# Altium PCB PCB1.PcbDoc
Units mil, origin at the board's own origin, x right, y up, seen from the top; angles counter-clockwise.
Board outline 1811 x 1291 mil, 2 copper layers (Top Layer, Bottom Layer); 85 components, 46 nets, 304 pads, 62 vias.
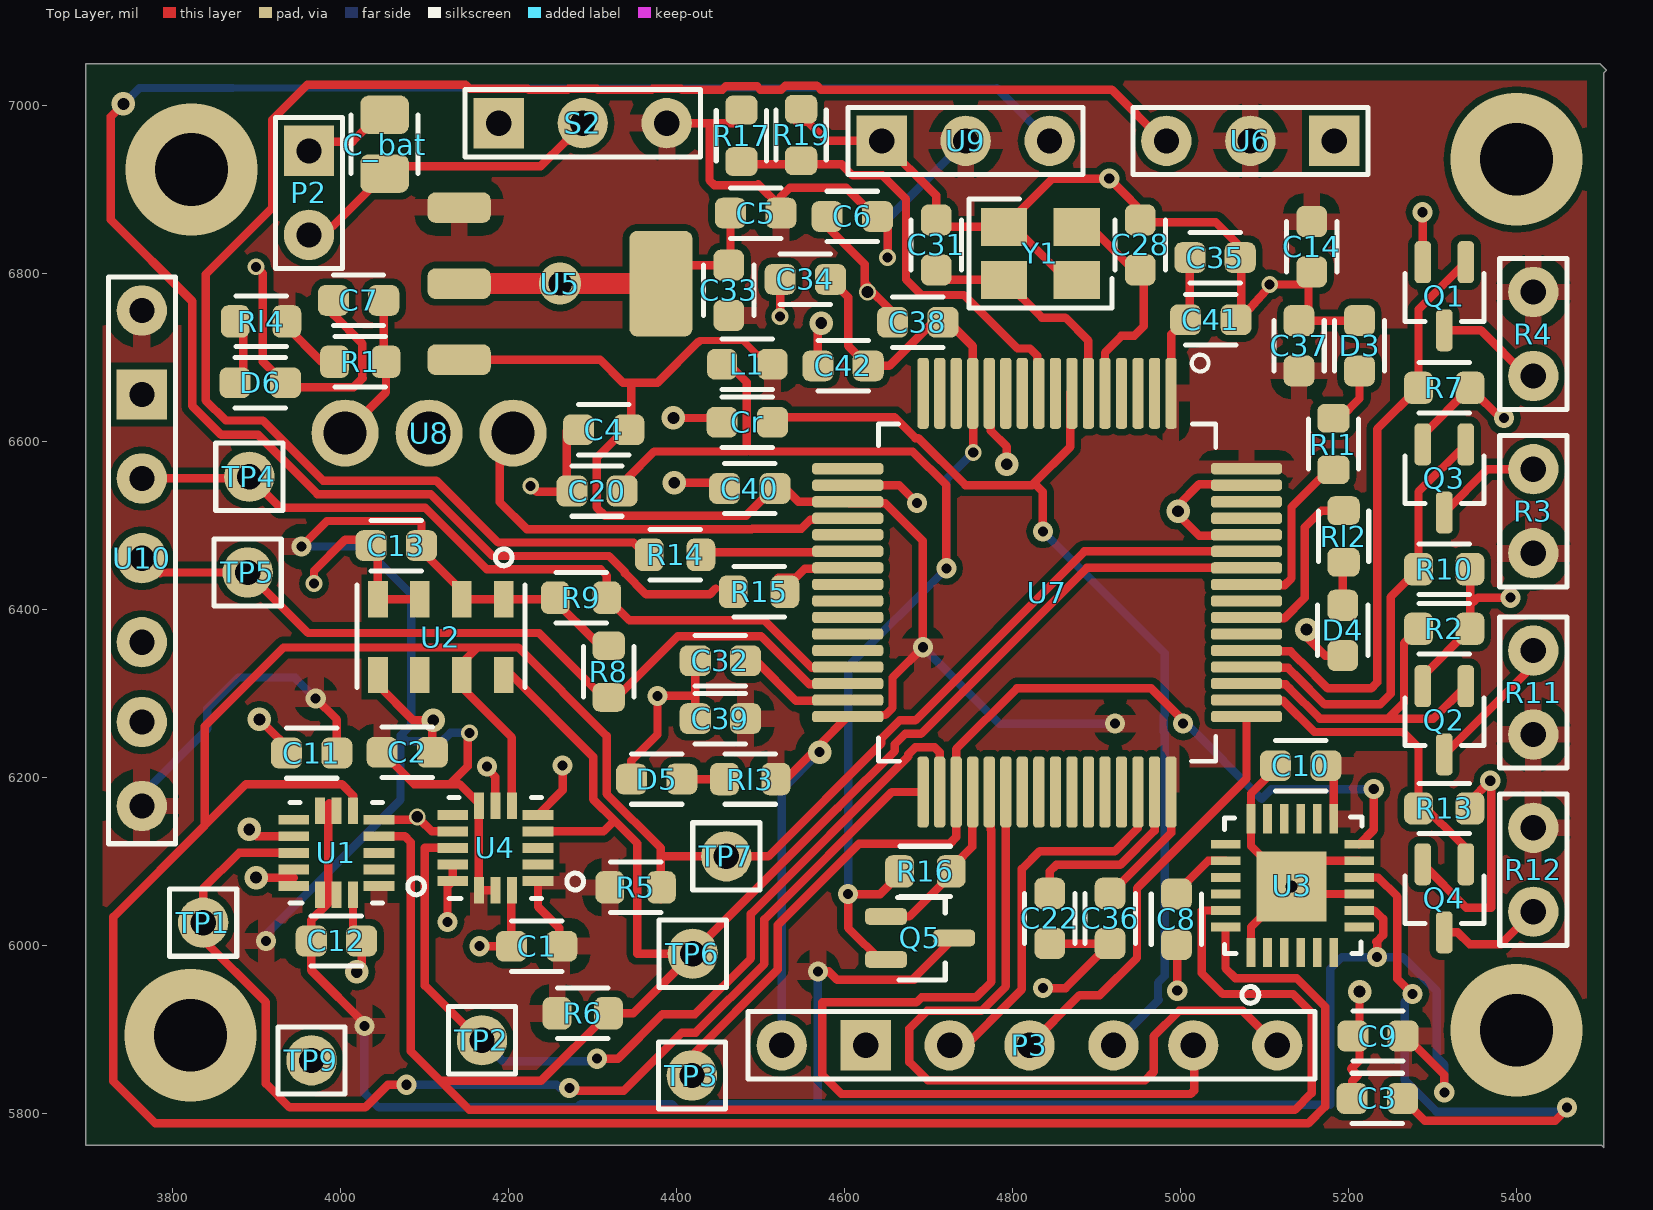
[diagram p0: Top Layer view]
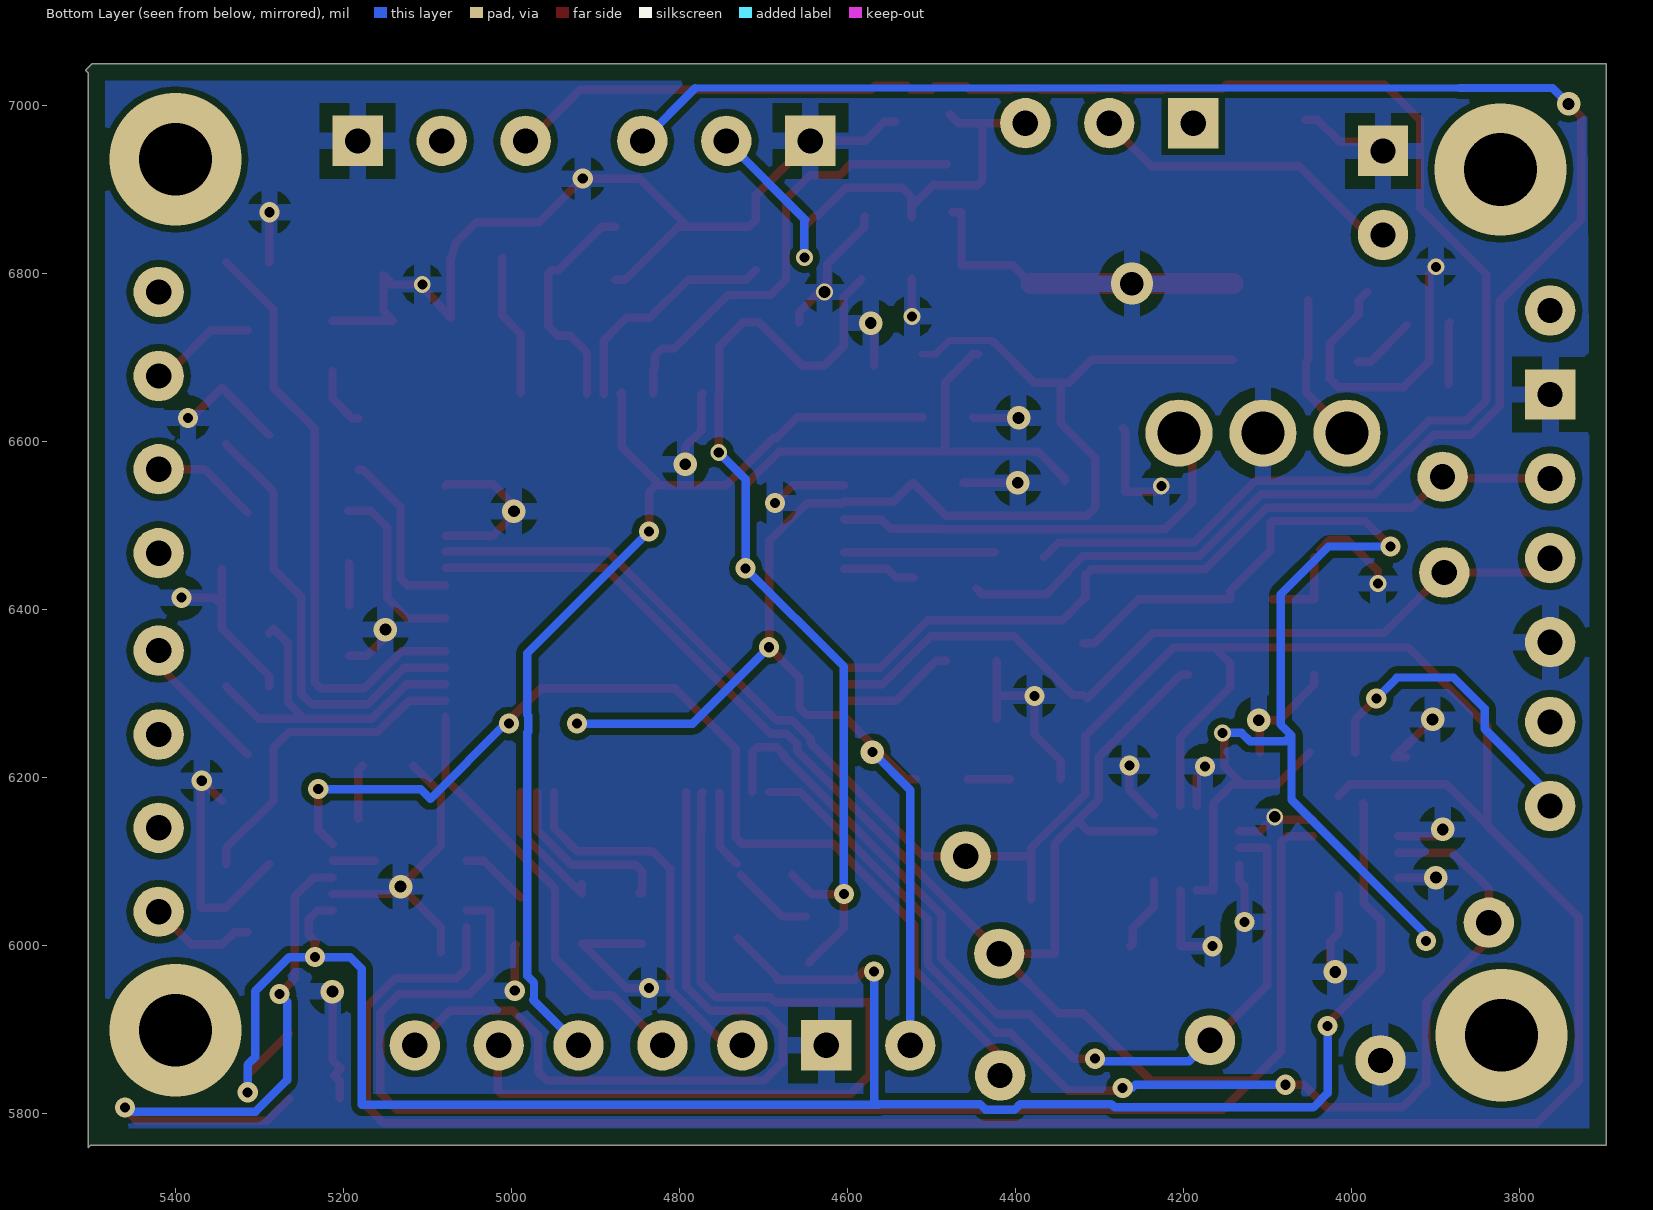
[diagram p1: Bottom Layer view, seen from below]
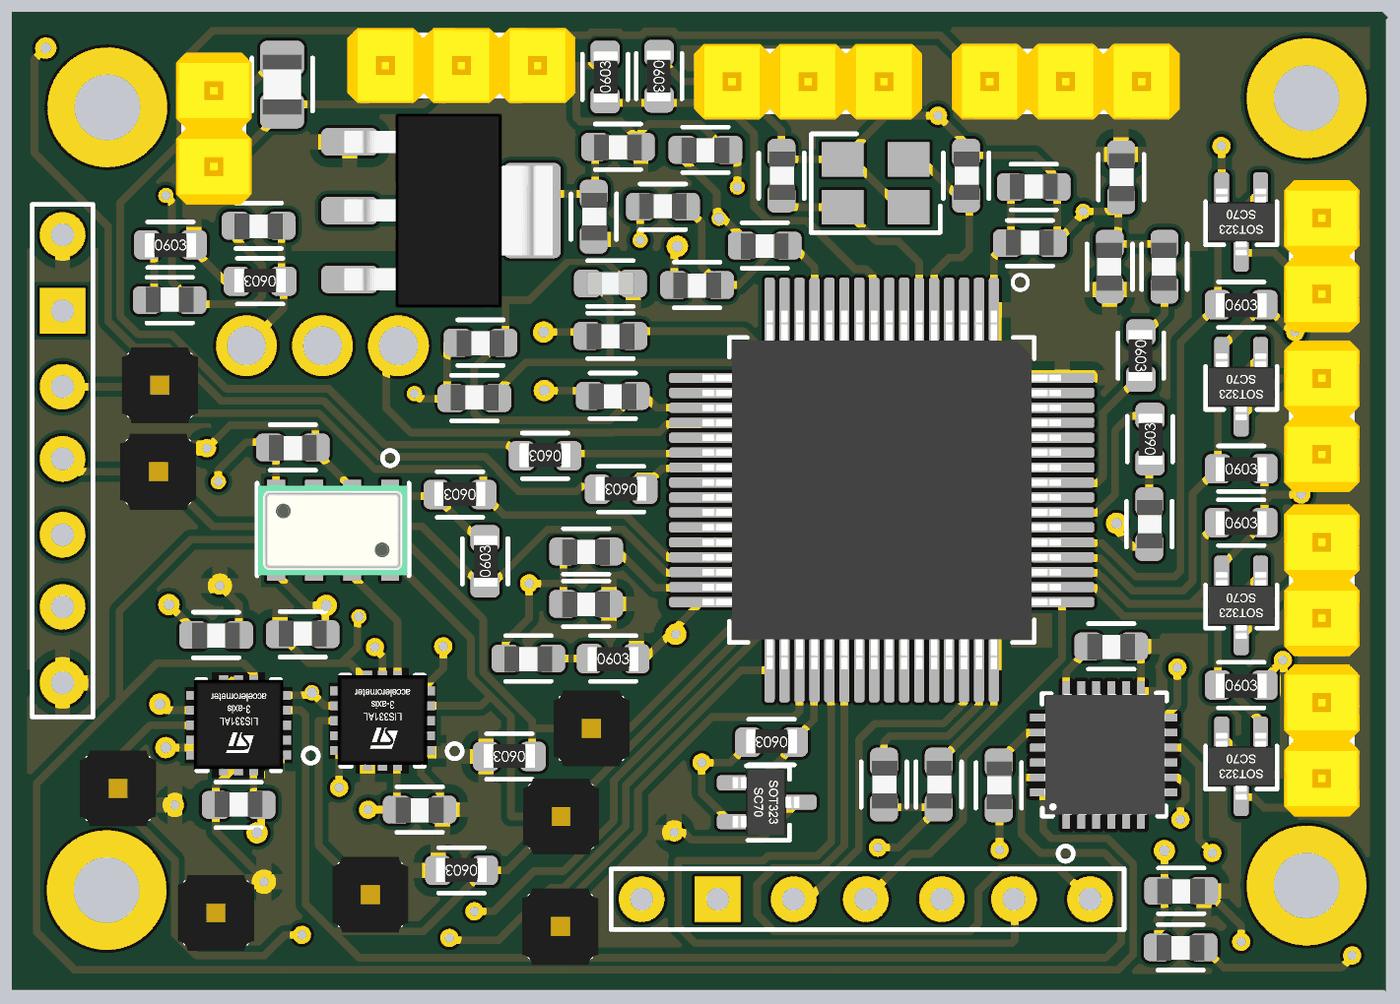
[diagram p2: 3D render of the assembled board from above, using the file's embedded part models]

## Layer stack, top to bottom
Top Solder: solder mask 0.4, Solder Resist, Dk 3.5
Top Layer: signal copper 1.4
Dielectric 1: dielectric 12.6, FR-4, Dk 4.8
Bottom Layer: signal copper 1.4
Bottom Solder: solder mask 0.4, Solder Resist, Dk 3.5

## Board outline
3696,7050 5499,7050 5507,7042 5504,7039 5504,5759 5501,5762 3696,5762

## Design rules (kind name [scope] priority, off if disabled: settings)
BoardOutlineClearance [All] p1: gap=20
Clearance [All] p1: gap=6 except(8: Arc-Poly Track-Poly SMDPad-Poly THPad-Poly Via-Poly Fill-Poly Poly-Poly)
HoleSize [All] p1: absolutevalues=TRUE maxlimit=400 minlimit=12 maxpercent=80.000 minpercent=20.000
HoleToHoleClearance [All] p1: gap=6 allowstackedmicrovias=TRUE
MinimumSolderMaskSliver [All] p1: minsoldermaskwidth=6
PlaneClearance [All] p1: clearance=15
PlaneConnect [All] p1: planeconnectstyle=Relief reliefexpansion=20 reliefentries=4 reliefconductorwidth=20 reliefairgap=15
PolygonConnect [All] p1: connectstyle=Relief reliefconductorwidth=20 reliefentries=4 polygonreliefangle="90 Angle" airgapwidth=15
RoutingVias [All] p1: holewidth=12 width=24 viastyle="Through Hole" minholewidth=12 minwidth=20 maxholewidth=400 maxwidth=400
SilkToSilkClearance [All] p1: silktosilkclearance=6
SilkToSolderMaskClearance [IsPad] p1: minsilkscreentomaskgap=6 clearancetoexposedcopper=TRUE
SolderMaskExpansion [All] p1: expansion=4
Width [All] p1: maxlimit=40 minlimit=8 preferedwidth=10
23 further rules are at their usual default settings.

## Components (designator, comment, footprint, x,y, rotation, side; value= is the part's Value field where it differs from the comment)
C1 "Cap Semi" CAP_0603 4233,5999 r180 top
C2 "Cap Semi" CAP_0603 4079,6230 r0 top
C3 "Cap Semi" CAP_0603 5234.2,5817.66 r180 top
C4 "Cap Semi" CAP_0603 4313,6614 r180 top
C5 "Cap Semi" CAP_0603 4494,6872 r180 top
C6 "Cap Semi" CAP_0603 4609,6868 r180 top
C7 "Cap Semi" CAP_0603 4021,6768 r180 top
C8 "Cap Semi" CAP_0603 4995,6031 r270 top
C9 "Cap Semi" CAP_0603 5235,5892 r180 top
C10 "Cap Semi" CAP_0603 5143,6214 r180 top
C11 "Cap Semi" CAP_0603 3965.12,6229 r180 top
C12 "Cap Semi" CAP_0603 3994.68,6005.2 r0 top
C13 "Cap Semi" CAP_0603 4066,6476 r180 top
C14 "Cap Semi" CAP_0603 5156,6832 r270 top
C20 "Cap Semi" CAP_0603 4305,6541 r0 top
C22 "Cap Semi" CAP_0603 4844,6032 r270 top
C28 "Cap Semi" CAP_0603 4952,6834 r270 top
C31 "Cap Semi" CAP_0603 4709,6834 r270 top
C32 "Cap Semi" CAP_0603 4452,6339 r180 top
C33 "Cap Semi" CAP_0603 4462,6780 r270 top
C34 "Cap Semi" CAP_0603 4553,6793 r0 top
C35 "Cap Semi" CAP_0603 5041,6819 r0 top
C36 "Cap Semi" CAP_0603 4916,6032 r270 top
C37 "Cap Semi" CAP_0603 5141,6714 r90 top
C38 "Cap Semi" CAP_0603 4687,6742 r180 top
C39 "Cap Semi" CAP_0603 4452,6270 r180 top
C40 "Cap Semi" CAP_0603 4487,6544 r180 top
C41 "Cap Semi" CAP_0603 5036,6745 r0 top
C42 "Cap Semi" CAP_0603 4598,6690 r180 top
C_bat "Cap Semi" CAP_0805 4052,6954 r90 top
Cr "Cap Semi" CAP_0603 4484,6623 r180 top
D3 "LED2" CAP_0603 5213,6714 r90 top
D4 "LED2" CAP_0603 5193,6375 r270 top
D5 "LED2" CAP_0603 4376,6198 r180 top
D6 "LED2" CAP_0603 3904,6670 r0 top
L1 "Inductor" "INDUCTOR BLM" 4484,6692 r180 top
P2 "Bat Con" BAT 3957,6881 r270 top
P3 "SWD" "Header 7 SWD" 4820,5881 r0 top
Q1 "DMG1012UW-7" "N-MOS (SOT323)" 5314,6773 r180 top
Q2 "DMG1012UW-7" "N-MOS (SOT323)" 5314,6268 r180 top
Q3 "DMG1012UW-7" "N-MOS (SOT323)" 5314,6556 r180 top
Q4 "DMG1012UW-7" "N-MOS (SOT323)" 5314,6056 r180 top
Q5 "MOSFET-P" "P-MOS (SOT323)" 4689.69,6008.75 r270 top
R1 "Res3" RES_0603 4023,6695 r180 top
R2 "Res3" RES_0603 5314,6377 r0 top
R3 "2 ohm - 10 ohm" "Header 2 Jumper" 5420,6517 r270 top
R4 "2 ohm - 10 ohm" "Header 2 Jumper" 5420,6728 r90 top
R5 "Res3" RES_0603 4351,6069 r180 top
R6 "Res3" RES_0603 4288,5919 r180 top
R7 "Res3" RES_0603 5314,6664 r0 top
R8 "Res3" RES_0603 4319,6326 r90 top
R9 "Res3" RES_0603 4286,6414 r180 top
R10 "Res3" RES_0603 5314,6448 r0 top
R11 "2 ohm - 10 ohm" "JUMPER (Header 2)" 5420,6301 r270 top
R12 "2 ohm - 10 ohm" "Header 2 Jumper" 5420,6090 r90 top
R13 "Res3" RES_0603 5314,6163 r0 top
R14 "Res3" RES_0603 4398,6465 r180 top
R15 "Res3" RES_0603 4498,6421 r180 top
R16 "Res3" RES_0603 4696,6088 r180 top
R17 "Res3" RES_0603 4477,6964 r90 top
R19 "Res3" RES_0603 4548,6965 r270 top
Rl1 "Res3" RES_0603 5182,6597 r270 top
Rl2 "Res3" RES_0603 5194,6487 r90 top
Rl3 "Res3" RES_0603 4487.5,6198 r0 top
Rl4 "Res3" RES_0603 3905,6743 r0 top
S2 "SW-SPDT" "Header 3 Servo" 4288,6979 r0 top
TP1 "TP1" TP 3836,6027 r0 top
TP2 "TP1" TP 4168,5887 r0 top
TP3 "TP3" TP 4418,5845 r0 top
TP4 "TP5" TP 3891,6558 r0 top
TP5 "TP5" TP 3889,6444 r0 top
TP6 "TP5" TP 4419,5990 r0 top
TP7 "TP5" TP 4459,6106 r0 top
TP9 "GND" TP 3965,5863 r0 top
U1 "H3LIS331DL" H3LIS_HIGH_G 3994.68,6110.2 r180 top
U2 "MS5611-01BA03" MS561101BA03-50 4119,6367 r270 top
U3 "MPU6050" MPU6050 5133,6071 r90 top
U4 "LPS331AP" LPS331AP 4184,6116 r180 top
U5 "MCP1703" SOT230P700X180-4L25N 4261,6788 r270 top
U6 "Servo_Con" "Header 3 Servo" 5083,6958 r180 top
U7 "STM32F405" "Microcontroller (LQFP)" 4841,6420 r180 top
U8 "TSOP382" TO92254P530H965-3 4105,6552 r180 top
U9 "Servo_Con" "Header 3 Servo" 4744,6958 r0 top
U10 "MS5611_PCB" "Header 7 SWD" 3763,6461 r270 top
Y1 "Crystal" XTAL_TSX_3225 4833,6824 r180 top

## Footprints (in the part's own frame and the unit in brackets; to place one, negate y for a bottom-side part, rotate by r counter-clockwise, add the part's x,y. Pads: shape width x height; smd on the part's side, far side on the other; paste and mask are expansions set on the pad)
BAT [mil]
  rect 60x60 hole 30: 1(-65,5)
  round 60 hole 30: 2(35,5)
  silkscreen extent -105,-35 75,45, body extent -115,-45 85,55, height 374
CAP_0603 [mm]
  rrect49% 0.94x0.93 smd: 1(-0.762,0) 2(0.762,0)
  silkscreen extent -0.76,-0.76 0.76,0.76, body extent -0.8,-0.41 0.8,0.45, height 0.43
CAP_0805 [mm] "Capacitor, Chip; 2.00 mm L X 1.25 mm W X 1.45 mm H body"
  rrect43% 1.16x1.47 smd: 1(-0.889,0) 2(0.889,0)
  silkscreen extent -0.89,-1.02 0.89,1.02, body extent -1,-0.65 1,0.66, height 0.73
H3LIS_HIGH_G [mm]
  rect 0.925x0.3 smd paste-25.4 mask-25.4: 1(-1.288,1) 2(-1.288,0.5) 3(-1.288,0) 4(-1.288,-0.5) 5(-1.288,-1) 9(1.288,-1) 10(1.288,-0.5) 11(1.288,0) 12(1.288,0.5) 13(1.288,1)
  rect 0.3x0.8 smd paste-25.4 mask-25.4: 6(-0.5,-1.275) 7(0,-1.275) 8(0.5,-1.275) 14(0.5,1.275) 15(0,1.275) 16(-0.5,1.275)
  silkscreen extent -2.67,-1.52 1.4,1.52, body extent -1.5,-1.53 1.5,1.47, height 1.01
"Header 2 Jumper" [mil]
  round 60 hole 30: 1(-50,0) 2(50,0)
  silkscreen extent -90,-40 90,40, body extent -100,-50 100,50, height 374
"Header 3 Servo" [mil]
  rect 60x60 hole 30: 1(-100,0)
  round 60 hole 30: 2(0,0) 3(100,0)
  silkscreen extent -140,-40 140,40, body extent -150,-50 150,50, height 378
"Header 7 SWD" [mil]
  round 60 hole 30: 1(-295,0) 3(-95,0) 4(0,0) 5(100,0) 6(195,0) 7(295,0)
  rect 60x60 hole 30: 2(-195,0)
  silkscreen extent -335,-40 340,40
"INDUCTOR BLM" [mm] "Inductor, Chip; 1.60 mm L X 0.80 mm W X 0.90 mm H body"
  rrect51% 0.91x0.93 smd: 1(-0.762,0) 2(0.762,0)
  silkscreen extent -0.76,-0.76 0.76,0.76, body extent -0.8,-0.4 0.8,0.4, height 1
"JUMPER (Header 2)" [mil]
  round 60 hole 30: 1(-50,0) 2(50,0)
  silkscreen extent -90,-40 90,40, body extent -100,-50 100,50, height 374
LPS331AP [mm]
  rect 0.925x0.3 smd paste-25.4 mask-25.4: 1(-1.288,1) 2(-1.288,0.5) 3(-1.288,0) 4(-1.288,-0.5) 5(-1.288,-1) 9(1.288,-1) 10(1.288,-0.5) 11(1.288,0) 12(1.288,0.5) 13(1.288,1)
  rect 0.3x0.8 smd paste-25.4 mask-25.4: 6(-0.5,-1.275) 7(0,-1.275) 8(0.5,-1.275) 14(0.5,1.275) 15(0,1.275) 16(-0.5,1.275)
  silkscreen extent -2.67,-1.52 1.4,1.52, body extent -1.5,-1.53 1.5,1.47, height 1.01
"Microcontroller (LQFP)" [mm] "Quad Flat Pack (QFP), 0.50 mm pitch; square, 16 pin X 16 pin, 10.00 mm L X 10.00 mm W X 1.20 mm H body"
  rrect53% 0.34x2.15 smd: 1(-3.75,-6.03) 2(-3.25,-6.03) 3(-2.75,-6.03) 4(-2.25,-6.03) 5(-1.75,-6.03) 6(-1.25,-6.03) 7(-0.75,-6.03) 8(-0.25,-6.03) 9(0.25,-6.03) 10(0.75,-6.03) 11(1.25,-6.03) 12(1.75,-6.03) 13(2.25,-6.03) 14(2.75,-6.03) 15(3.25,-6.03) 16(3.75,-6.03) 33(3.75,6.03) 34(3.25,6.03) 35(2.75,6.03) 36(2.25,6.03) 37(1.75,6.03) 38(1.25,6.03) 39(0.75,6.03) 40(0.25,6.03) 41(-0.25,6.03) 42(-0.75,6.03) 43(-1.25,6.03) 44(-1.75,6.03) 45(-2.25,6.03) 46(-2.75,6.03) 47(-3.25,6.03) 48(-3.75,6.03)
  rrect53% 2.15x0.34 smd: 17(6.03,-3.75) 18(6.03,-3.25) 19(6.03,-2.75) 20(6.03,-2.25) 21(6.03,-1.75) 22(6.03,-1.25) 23(6.03,-0.75) 24(6.03,-0.25) 25(6.03,0.25) 26(6.03,0.75) 27(6.03,1.25) 28(6.03,1.75) 29(6.03,2.25) 30(6.03,2.75) 31(6.03,3.25) 32(6.03,3.75) 49(-6.03,3.75) 50(-6.03,3.25) 51(-6.03,2.75) 52(-6.03,2.25) 53(-6.03,1.75) 54(-6.03,1.25) 55(-6.03,0.75) 56(-6.03,0.25) 57(-6.03,-0.25) 58(-6.03,-0.75) 59(-6.03,-1.25) 60(-6.03,-1.75) 61(-6.03,-2.25) 62(-6.03,-2.75) 63(-6.03,-3.25) 64(-6.03,-3.75)
  silkscreen extent -5.1,-7.2 5.1,5.1, body extent -6,-6 6,6, height 1.56
MPU6050 [mm] "Quad Flat No-Lead (QFN with Tab), 0.50 mm pitch; square, 6 pin X 6 pin, 4.00 mm L X 4.00 mm W X 0.95 mm H body"
  rect 0.89x0.26 smd mask+0.127: 1(-2.02,1.25) 2(-2.02,0.75) 3(-2.02,0.25) 4(-2.02,-0.25) 5(-2.02,-0.75) 6(-2.02,-1.25) 13(2.02,-1.25) 14(2.02,-0.75) 15(2.02,-0.25) 16(2.02,0.25) 17(2.02,0.75) 18(2.02,1.25)
  rect 0.26x0.89 smd mask+0.127: 7(-1.25,-2.02) 8(-0.75,-2.02) 9(-0.25,-2.02) 10(0.25,-2.02) 11(0.75,-2.02) 12(1.25,-2.02) 19(1.25,2.02) 20(0.75,2.02) 21(0.25,2.02) 22(-0.25,2.02) 23(-0.75,2.02) 24(-1.25,2.02)
  rect 2.108x2.108 smd: 25(-0.025,0.025)
  silkscreen extent -3.56,-2.1 2.08,2.06, body extent -2.01,-2.07 2.03,1.97, height 0.88
MS561101BA03-50 [mm]
  rect 1.1x0.6 smd: 1(-1.143,1.905) 2(-1.143,0.635) 3(-1.143,-0.635) 4(-1.143,-1.905) 5(1.143,-1.905) 6(1.143,-0.635) 7(1.143,0.635) 8(1.143,1.905)
  silkscreen extent -2.67,-2.54 1.52,2.54, body extent -1.49,-2.51 1.51,2.49, height 1
"N-MOS (SOT323)" [mm] "Small Outline Transistor (SOT23), 0.65 mm pitch; 3 pin, 0.95 mm L X 1.25 mm W X 1.00 mm H body"
  rrect52% 0.5x1.27 smd: 1(-0.65,-1.03) 2(0.65,-1.03) 3(0,1.03)
  silkscreen extent -1.19,-0.68 1.19,0.76, body extent -1.1,-1.12 1.1,1.12, height 1.1
"P-MOS (SOT323)" [mm]
  rrect52% 0.5x1.27 smd: 1(-0.65,-1.03) 2(0.65,-1.03) 3(0,1.03)
  silkscreen extent -1.22,-0.68 1.27,0.76, body extent -1.1,-1.15 1.1,1.1, height 1.1
RES_0603 [mm] "Resistor, Chip; 1.60 mm L X 0.85 mm W X 0.55 mm H body"
  rrect51% 0.87x0.98 smd: 1(-0.78,0) 2(0.78,0)
  silkscreen extent -0.76,-0.76 0.76,0.76, body extent -0.85,-0.42 0.85,0.38, height 0.56
SOT230P700X180-4L25N [mm] "Small Outline Transistor (SOT223), 2.30 mm pitch; 4 pin, 6.50 mm L X 3.50 mm W X 1.80 mm H body"
  rrect50% 0.92x1.91 smd: 1(-2.3,-3.05) 2(0,-3.05) 3(2.3,-3.05)
  rrect24% 3.19x1.91 smd: 2(0,3.05)
  body extent -3.25,-3.23 3.25,3.73, height 1.66
TO92254P530H965-3 [mil] "TO-92, 2.54 mm pitch; 3 pin, 5.30 mm W X 9.65 mm H body"
  round 80 hole 51.18: 1(-100,-57.97)
  round 80 hole 51.18 paste-87.01: 2(0,-57.97) 3(100,-57.97)
  body extent -100,-199 100,-10, height 426
TP [mil]
  round 60 hole 30: 0(0,0)
  silkscreen extent -40,-40 40,40, body extent -50,-50 50,50, height 318
XTAL_TSX_3225 [mm] "Crystal, Dual Flat No-Lead (DFN 4 Pins), 2.00 mm pitch; 4 pin, 3.20 mm L X 2.50 mm W X 0.60 mm H body"
  rect 1.4x1.15 smd: 1(-1.1,-0.8) 2(1.1,-0.8) 3(1.1,0.8) 4(-1.1,0.8)
  silkscreen extent -2.16,-1.65 2.16,1.65

## Part data
C1 C2 C3 C4 C5 C6 C7 C8 C9 C10 C11 C12 C13 C14 C20 C22 C28 C31 C32 C33 C34 C35 C36 C37 C38 C39 C40 C41 C42 C_bat Cr: "Capacitor (Semiconductor SIM Model)"
D3 D4 D5 D6: "Typical RED, GREEN, YELLOW, AMBER GaAs LED"
P2: library part "Header 2", "Header, 2-Pin"
Q1 Q2 Q3 Q4: library part MOSFET-N, "N-Channel MOSFET"
Q5: "P-Channel MOSFET"
R1 R2 R5 R6 R7 R8 R9 R10 R13 R14 R15 R16 R17 R19 Rl1 Rl2 Rl3 Rl4: "Resistor"
R3 R4 R11 R12: library part Res_melting
S2: "SPDT Subminiature Toggle Switch, Right Angle Mounting, Vertical Actuation"
TP1 TP2 TP3 TP4 TP5 TP6 TP7 TP9: library part TP
U1: "High g accelerometer"
U5: library part LDO

## Via types
v1: diameter 24, hole 12, Top Layer to Bottom Layer, 32 vias
v2: diameter 28, hole 14, Top Layer to Bottom Layer, 14 vias
v3: diameter 20, hole 12, Top Layer to Bottom Layer, 8 vias
v4: diameter 157.48, hole 86.61, Top Layer to Bottom Layer, 4 vias
v5: diameter 20, hole 14, Top Layer to Bottom Layer, 2 vias
v6: diameter 50, hole 28, Top Layer to Bottom Layer, 1 vias
v7: diameter 28, hole 12, Top Layer to Bottom Layer, 1 vias

## Nets (pads, with @x,y where several pads share a name; then routed paths per layer and width w, separated by ;. In a path a pad name is that pad's centre, name@x,y a point inside that pad or via, vN(x,y) a via of type N, cw(c..) or ccw(c..) an arc to the next point about the centre after c; other vN are vias at no path point)
3V3: C4.1 C35.1 C36.1 C37.1 C39.1 C40.1 C41.1 L1.1 P3.1 Rl3.2 U5.3 U7.1 U7.19 U7.32 U7.48 U7.64 | length 2373.7
  Top Layer w8: 4426,6719 4427.31,6720.31 4478.7,6720.31 4495.01,6704 L1.1@4511,6704
  Top Layer w10: U5.3 4308.55,6697.45 4336,6670 4377,6670 4426,6719 ; 4346,6670 4346,6622 4304.5,6580.5 4304.5,6521.5 4314.31,6511.69 4482.69,6511.69 4522,6551 4544.73,6528.27 U7.19 4605.59,6526.27 4648.4,6526.27 4693,6481.67 v1(4693,6355) 4656.92,6318.92 4656.92,6282.88 4648.4,6274.36 4605.59,6274.36 U7.32 4570,6238.76 v7(4570,6230) 4562,6230 4530,6198 Rl3.2 ; C36.1@4916,6073 4916,6061.11 4988.64,6133.75 U7.48 ; U7.1 4988.64,6727.64 C41.1 5011,6750 C35.1
  Bottom Layer w10: P3.1 4525,6185 v7(4570,6230) ; v1(4693,6355) 4784,6264 v1(4922,6264)
3V3A: C20.2 C34.2 C38.1 C42.1 L1.2 Q5.2 R16.2 U7.13 | length 1808.2
  Top Layer w10: C20.2@4341,6553 4341,6556.08 4373,6588.08 4483.5,6588.08 4483.5,6670.5 4451,6703 4451,6704 L1.2@4444,6704 ; 4487,6588.08 4680.92,6588.08 4721,6548 v1(4721,6449) ; C34.2 4604,6772 4604,6714 C42.1 4653,6690 4705,6742 C38.1 4723.84,6742 4752.42,6713.42 U7.13 4753,6656.82 v3(4753,6587) ; Q5.2@4645.42,5979.44 4604,6020.86 v1(4604,6061) 4642.29,6061 R16.2@4665.29,6084
  Bottom Layer w10: v1(4604,6061) 4604,6332 v1(4721,6449) 4721,6555 v3(4753,6587)
5V: C5.1 C6.1 C14.1 C33.2 R1.2 R3.2 R4.2 R11.2 R12.2 R17.2 Rl4.2 S2.3 U5.1 U6.2 U9.2 | length 736.5
  Top Layer w10: Rl4.2@3933.5,6738.5 3977,6695 R1.2 ; S2.3 4439,6979 ; R17.2@4478,6989.71 4467.29,6979 4439,6979 ; C5.1@4523,6867 4523,6880.22 4496.89,6906.33 4495.73,6905.17 4444.83,6905.17 4439,6911 4439,6979 ; C5.1@4524,6871 4524,6891.68 4534.32,6902 4601.82,6902 4635.82,6868 C6.1 4651,6856 v3(4651,6819)
  Bottom Layer w10: v3(4651,6819) 4651,6863 4650,6864 U9.2
ADC_BAT: R17.1 R19.2 U7.9 | length 543.7
  Top Layer w10: R17.1@4481.71,6930 4596.44,6930 4609.44,6917 4645,6917 4673,6889 4673,6792.89 4691.39,6774.5 4741.95,6774.5 4805.72,6710.72 4820.64,6710.72 4829.16,6702.2 4829.16,6687.28 4831.16,6685.28 U7.9
DEBUG_RX: P3.7 U7.38 | length 930.4
  Top Layer w10: U7.38 4791.79,5951.16 4762.63,5922 4698,5922 4677,5901 4677,5861.02 4699.02,5839 4957.56,5839 4968,5849.44 4968,5891.98 4998.02,5922 5074,5922 P3.7
DEBUG_TX: P3.6 U7.37 | length 1033
  Top Layer w10: U7.37 4774.1,6180.6 4774.1,6137.8 4774.55,6137.34 4774.55,5956.55 4756,5938 4691.37,5938 4685.37,5932 4573,5932 4573,5846 4596,5823 5012,5823 5016,5827 P3.6@5016,5881
ERR_LED: Rl1.2 U7.57 | length 210.3
  Top Layer w10: U7.57@5078.4,6428.84 5123.84,6428.84 5132,6437 5132,6522 5176.29,6566.29 Rl1.2
GND: C1.2 C2.2 C3.2 C4.2 C5.2 C6.2 C7.2 C8.2 C9.2 C10.2 C11.2 C12.2 C13.2 C14.2 C20.1 C22.2 C28.1 C31.1 C32.2 C33.1 C34.1 C35.2 C36.2 C37.2 C38.2 C39.2 C40.2 C41.2 C42.2 C_bat.2 Cr.2 D3.2 D4.2 D5.2 D6.2 P2.1 P3.2 Q1.2 Q2.2 Q3.2 Q4.2 R2.2 R7.2 R10.2 R13.2 R19.1 TP9.0 U1.5 U1.10 U1.12 U1.13 U1.16 U2.3 U2.4 U2.5 U3.1 U3.9 U3.11 U3.18 U3.25 U4.5 U4.7 U4.10 U4.12 U4.13 U4.16 U5.2 U6.1 U7.12 U7.18 U7.60 U7.63 U8.2 U9.1 U10.2 U10.5 Y1.2 Y1.4 | length 5631.1
  Top Layer w10: v2(3891,6138) 3899.12,6129.88 U1.10 ; v2(3899,6080.67) 3944,6080.67 ; v3(3899,6808) 3907,6800 3907,6695 3937.29,6664.71 4015.28,6664.71 4026,6675.43 4025.58,6675.85 4025.58,6716.42 3991,6751 C7.2 C7.2@3980.58,6778.42 ; v2(3903,6269) 3948,6224 C11.2@3934,6224 ; v3(3968,6431) 3968,6446 4005,6483 4025,6483 C13.2@4037,6471 ; P2.1@3991,6957 4014,6957 4040,6983 C_bat.2@4054,6983 ; U1.16 4014.37,6015.51 C12.2 4024.69,5974.71 4025,5974.39 v2(4019,5968.39) ; U2.5 4044,6310 4086,6268 v2(4110,6268) 4104,6262 4109,6257 C2.2 ; C13.2@4044,6462 U2.4 U2.3 ; U1.5 4094.43,6149.57 4108.31,6135.69 U4.10 ; v1(4127,6028) 4127,6070.32 U4.13 U4.12 ; v1(4165,5999) C1.2 4203,6065.12 U4.16 ; v1(4174,6213) 4174,6211 4181.17,6203.83 4181.17,6203.31 4184,6200.48 U4.7 ; v3(4226,6547) 4233,6540 4269,6540 4269,6613 C4.2@4272,6616 ; U4.5 4264,6184.68 v1(4264,6214) ; D5.2 4346,6220 4377,6251 v1(4377,6297) 4420,6297 ; U5.2@4381.08,6788 4403.08,6810 4464,6810 4464,6873 C5.2@4475,6873 ; v2@4398,6550 v2(4397,6551) C40.2@4462,6551 ; 4411,6628 v2(4396,6628) 4449,6628 Cr.2@4450,6629 ; C39.2 C32.2 ; v3(4523,6749) C34.1@4523,6794 ; R19.1@4543,6980.71 4556.29,6980.71 4579,6958 U9.1 4709,6893 C31.1 4717.5,6855.5 Y1.2 ; C42.2 4568,6737 v2(4572,6741) ; C6.2 4580,6867 4580,6855 4624,6811 4624,6781 v5(4627,6778) 4627,6786 4626,6787 4625,6786 4657,6754 C38.2 ; U7.18 U7.18 4664.77,6548 v1(4686,6526.77) ; U7.12@4772,6657.3 4774.1,6655.2 4774.1,6612.6 4793,6593.7 v2(4793,6573) ; v1(4836,5949) 4863,5949 C36.2 C22.2 ; Y1.4 4864.5,6792.5 4801.5,6855.5 Y1.2 ; C8.2 4996,6000 v1(4996,5946) ; U7.60@5078.4,6487.9 5022.1,6487.9 4997,6513 4997,6524 5022.1,6549.1 5033.44,6549.1 5033.44,6548.95 5076.41,6548.95 U7.63@5078.4,6546.95 ; U3.1 5083.79,6021.79 v2(5132,6070) ; C10.2@5117,6214 5083.79,6180.79 5083.79,6118.21 v2(5132,6070) ; v2(5150,6376) 5150,6367 5172,6345 D4.2 ; U3.25@5162.53,6100.53 U3.11 ; C3.2 5204.2,5838.2 5211,5845 5203,5853 5213,5863 v2(5213,5945) ; U3.9 5140.84,6061.16 v2(5132,6070) ; D3.2 C37.2 5152.22,6755.22 5152.22,6798.22 5144,6790 5147,6787 v3(5106,6787) 5106,6785 5072,6747 5072,6818 5066,6837 5042,6861 4967,6861 v1(4915,6913) 4847.2,6913 Y1.2 ; v1(5288,6873) 5288.41,6872.59 Q1.2 ; Q4.2 5339.96,6045 5370.04,6045 5370.04,6194.67 v1(5368.71,6196) R13.2@5344.71,6172 ; Q2.2 5288.41,6320.7 R2.2 5344.71,6413 ; Q3.2@5288.41,6607.7 R7.2 v1@5383.71,6625 ; R10.2 5344.71,6413 ; v1(5393,6414) 5353.71,6414 5348.71,6409 5344.71,6413
  Top Layer w25: U5.2@4140.92,6788 U5.2@4381.08,6788
  other v1: 5385,6628
  other v2: 4997,6517
  other v5: 4091,6153
  other v6: 4261,6788
H_BEAT: Rl2.2 U7.55 | length 217.9
  Top Layer w10: U7.55@5078.4,6389.47 5123.47,6389.47 5148,6414 5148,6498 5167.71,6517.71 Rl2.2
I2C2_SCL: R9.1 TP4.0 U7.29 U10.3 | length 951.1
  Top Layer w10: U10.3 3889,6556 TP4.0 3927.69,6521.31 4100.29,6521.31 4173.9,6447.69 4309.31,6447.69 4316.71,6440.29 R9.1 4343.71,6387 4504.21,6387 4560.79,6330.42 U7.29@4603.6,6330.42
I2C2_SDA: R8.1 TP5.0 U7.30 U10.4 | length 929.5
  Top Layer w10: U10.4@3785,6443 3786,6444 TP5.0 3961,6372 4236.02,6372 R8.1@4314.02,6294 ; R8.1@4318.85,6298.15 4331.15,6298.15 4401.31,6368.31 4439.81,6368.31 4440.11,6368 4463.89,6368 4464.19,6368.31 4500.27,6368.31 4557.85,6310.73 U7.30@4603.6,6310.73
I2C_SCL: R6.1 TP6.0 U1.4 U2.8 U3.23 U4.4 U7.58 | length 3535.8
  Top Layer w10: U1.4 4076.12,6129.88 4083,6123 4083,5874 4153,5804 5136,5804 5156,5824 5156,5920 5134,5942 5050,5942 5024.95,5967.05 5024.95,6041.47 U3.23 ; 4118.22,5838.78 4238.49,5838.78 R6.1 4348,5919 TP6.0 4353,5990 4353,6121.26 4325.63,6148.63 ; U2.8 4203,6322 4300.5,6224.5 4300.5,6173.76 4325.63,6148.63 ; U4.4 4312.69,6135.69 4325.63,6148.63 ; TP6.0@4413.5,5995.5 4423.13,5995.5 4591.63,6164 4592.12,6164 4659.67,6231.55 4659.67,6239.67 4671.92,6251.92 4690.67,6251.92 4888.27,6449.53 U7.58
I2C_SDA: R5.1 TP7.0 U1.6 U2.7 U3.24 U4.6 U7.59 | length 4299.2
  Top Layer w10: 3840,6145 3887,6192 4001,6192 4015,6178 ; U4.6 4203.69,6247.31 4144,6307 U2.7 4144,6336 4162.65,6354.65 ; R5.1@4381,6055 4381,6115.89 4316.5,6180.39 4316.5,6249.5 4211.35,6354.65 4162.65,6354.65 ; 4382,6106 TP7.0 4509.02,6106 4643.67,6240.65 4643.67,6246.3 4665.29,6267.92 4684.04,6267.92 4885.33,6469.21 U7.59 ; U3.24 5053.47,5972.53 5065,5961 5138.06,5961 5172,5927.06 5172,5808 5152,5788 3779,5788 3729,5838 3729,6034 3838,6143 3838,6261 3931.65,6354.65 4162.65,6354.65
INT_H3LIS: TP1.0 U1.11 U7.33 | length 1375
  Top Layer w10: U1.11 3878.63,6110.2 3836,6067.57 TP1.0 3836,6007 3910.74,5932.26 3910.74,5835.26 3939,5807 4029,5807 4056,5834 v1(4078,5834) ; v1(4272,5830) 4275,5827 4337,5827 4406,5896 4422.37,5896 4504.25,5977.88 4504.25,6030.88 4655.97,6182.6 U7.33
  Bottom Layer w10: v1(4078,5834) 4257,5834 4260.5,5830.5 v1@4271.5,5830.5
INT_LP: TP2.0 U4.11 U7.34 | length 1090.1
  Top Layer w10: U4.11 4100,6116 4100,5952 4156,5896 TP2.0@4177,5896 ; v1(4305,5865) 4330,5865 4383,5918 4421.75,5918 4488.25,5984.51 4488.25,6037.51 4675.67,6224.92 4675.67,6227.4 4684.19,6235.92 4707.08,6235.92 4713.05,6229.95 U7.34
  Bottom Layer w10: TP2.0 4193,5862 4302,5862 v1(4305,5865)
INT_MPU: TP3.0 U3.12 U7.35 | length 1244.2
  Top Layer w10: TP3.0 4418,5869 4520.25,5971.25 4520.25,6024.25 4617,6121 4725,6121 4732.73,6128.73 4732.73,6233.73 4805,6306 4965,6306 5003,6268 v1(5003,6264) ; U3.12 5230,6137.68 v1(5230,6186)
  Bottom Layer w10: v1(5003,6264) 5007,6264 5096.53,6174.47 5108.06,6186 v1(5230,6186)
IR_CMD: U7.20 U8.1 | length 526.5
  Top Layer w10: U8.1@4217,6609.97 4189,6581.97 4189,6528 4221.31,6495.69 4489.32,6495.69 4489.92,6496.29 4548.5,6496.29 4558.8,6506.59 4602.61,6506.59 U7.20@4603.6,6507.58
NetC3_1: C3.1 U3.10 | length 709.9
  Top Layer w10: U3.10 5235.16,6080.84 5258,6058 5258,5960 v1(5276,5942) ; C3.1 5290.87,5791 5446,5791 5460,5805 v1(5460,5807)
  Bottom Layer w10: v1(5276,5942) 5267,5933 5267,5839.47 5304.47,5802 5455,5802 v1(5460,5807)
NetC8_1: C8.1 U3.20 | length 82.5
  Top Layer w10: C8.1@4989,6057 5032.53,6100.53 U3.20
NetC22_1: C22.1 U7.47 | length 221
  Top Layer w10: C22.1@4848,6062 C22.1 4844,6088 4852,6096 4928.26,6096 4968.95,6136.69 U7.47
NetC32_1: C32.1 U7.31 | length 141.5
  Top Layer w10: C32.1 4494,6339 4541.95,6291.05 U7.31@4603.6,6291.05
NetD3_1: D3.1 Rl1.1 | length 73.6
  Top Layer w10: Rl1.1 5189.71,6627.71 5213,6651 D3.1
NetD4_1: D4.1 Rl2.1 | length 50.3
  Top Layer w10: D4.1 Rl2.1@5193,6455.29
NetD5_1: D5.1 Rl3.1 | length 50.8
  Top Layer w10: D5.1 Rl3.1
NetD6_1: D6.1 Rl4.1 | length 74.5
  Top Layer w10: Rl4.1@3882.29,6742 3883.5,6740.79 D6.1@3883.5,6668
NetQ1_3: Q1.3 R4.1 | length 128.6
  Top Layer w10: Q1.3 5357.55,6732.45 5412,6678 R4.1
NetQ2_3: Q2.3 R11.1 | length 167.5
  Top Layer w10: Q2.3 5420,6333.45 R11.1
NetQ3_3: Q3.3 R3.1 | length 127.4
  Top Layer w10: Q3.3 5365.55,6567 R3.1
NetQ4_3: Q4.3 R12.1 | length 128.4
  Top Layer w10: Q4.3 5330,6015.45 5344.45,6001 ; 5343.95,6001.5 5381.5,6001.5 R12.1
NetR14_2: R14.2 U6.3 | length 2090.5
  Top Layer w10: R14.2@4366.29,6462 4348.6,6479.69 4187.15,6479.69 4113.54,6553.31 3978.69,6553.31 3907,6625 3863,6625 3839,6649 3839,6799 3918,6878 3918,6983 3960,7025 4148.44,7025 4153.44,7020 4222.56,7020 4223.56,7019 4270.02,7019 4271.02,7020 4304.98,7020 4305.98,7019 4370.02,7019 4371.02,7020 4404.98,7020 4405.98,7019 4454.43,7019 4458.27,7022.83 4495.73,7022.83 4499.57,7019 4524.43,7019 4529.27,7023.83 4566.73,7023.83 4571.57,7019 4918,7019 4979,6958 U6.3
NetR15_2: R15.2 U9.3 | length 2260
  Top Layer w10: v2(3741,7002) 3726,6987 3726,6864 3823,6767 3823,6642.37 3857.37,6608 3901.37,6608 3972.07,6537.31 4106.91,6537.31 4180.53,6463.69 4319.31,6463.69 4338.17,6444.83 4338.17,6443.27 4363.43,6418 4439.29,6418 4446.29,6425
  Bottom Layer w8: 3874,7021 4781,7021
  Bottom Layer w10: v2(3741,7002) 3760,7021 3871,7021 ; 4781,7021 U9.3
NRST: Cr.1 P3.5 U7.7 | length 1239.7
  Top Layer w10: Cr.1@4510,6629 4659.27,6629 4684.19,6604.08 4687.55,6604.08 4743.63,6548 4823,6548 4825.53,6550.53 ; v1(4836,6493) 4836,6540.07 4825.53,6550.53 ; U7.7@4870.53,6656.4 4868.53,6658.4 4868.53,6593.53 4825.53,6550.53
  Bottom Layer w10: v1(4836,6493) 4981,6348 4981,6274.53 4980,6273.53 4980,6254.47 4981,6253.47 4981,5963.53 4973,5955.53 4973,5936.47 4974.24,5935.24 P3.5
ON: C1.1 C2.1 C9.1 C10.1 C11.1 C12.1 C13.1 Q5.3 R5.2 R6.2 R8.2 R9.2 U1.1 U1.7 U1.8 U1.14 U1.15 U2.1 U2.2 U3.8 U3.13 U4.1 U4.8 U4.14 U4.15 U10.1 U10.7 | length 4571.7
  Top Layer w10: v1(3953.07,6475) 3983.38,6505.31 4093.66,6505.31 4096,6502.97 4096,6470 4144,6422 U2.2 U2.1 4253.29,6412 4305.58,6359.71 R8.2@4319,6359.71 ; v1(3970,6294) 3995.12,6268.88 C11.1 ; 3986,6169 3985,6168 3985,6050.31 3964.68,6030 C12.1 3964.68,5970.31 4031,5904 v1(4028,5904) ; C2.1 4087,6192 4130,6192 ; v3(4153,6253) 4151,6251 4151,6213 4130,6192 ; U4.15 U4.14 U4.8 4164.31,6168.68 4141,6192 4130,6192 ; U4.1 4234.69,6046 4260,6020.69 4260,6002 C1.1 ; v1(4568,5969) 4581,5969 4591,5959 4683,5959 4683,5961.51 Q5.3 ; C10.1@5177,6214 5182.21,6208.79 U3.13 ; U3.8 5230.62,6041.47 5234.19,6037.91 5234.6,6037.91 5241.05,6031.46 5241.05,6012.11 5233,6004.07 5234,6003.07 v1(5234,5986) ; C9.1@5264.8,5895 5314,5845.8 v1(5314,5825)
  Bottom Layer w10: U10.7 3763,6179.86 3841.07,6257.93 3841.07,6282.07 3878,6319 3946,6319 3945.5,6318.5 v1(3970,6294) ; v1(3910.8,6005.2) 3910.8,6013.16 4071,6173.36 4071,6250 ; v1(3953.07,6475) 4027,6475 4084,6418 4084,6263 4071,6250 ; v1(4028,5904) 4028,5824 4045,5807 4281.53,5807 4285.53,5811 4394.02,5811 4401.02,5804 4434.98,5804 4441.98,5811 4568,5811 ; v3(4153,6253) 4130.36,6253 4120.36,6243 4078,6243 4071,6250 ; v1(4568,5969) 4568,5815 4563,5810 5178,5810 5178,5972 5192,5986 v1(5234,5986) 5264.53,5986 5305,5945.53 5305,5867 5314,5858 v1(5314,5825)
PH0: C28.2 U7.5 Y1.1 | length 275.2
  Top Layer w10: Y1.1 4892.5,6855.5 4944,6804 C28.2 4956,6800 4956,6737 4945,6726 4929,6726 4929.5,6725.5 4909.9,6705.9 U7.5@4909.9,6656.4
PH1: C31.2 U7.6 Y1.3 | length 279.6
  Top Layer w10: C31.2 4720.5,6792.5 Y1.3 4834.69,6747.5 4862.66,6747.5 4890.21,6719.95 U7.6@4890.21,6656.4
PWM_SERVO1: R15.1 U7.23 | length 87.3
  Top Layer w10: R15.1@4520.71,6438 4542,6438 4552.53,6448.53 U7.23@4603.6,6448.53
PWM_SERVO2: R14.1 U7.22 | length 179.1
  Top Layer w10: R14.1@4424.5,6468.21 U7.22@4603.6,6468.21
SWCLK: P3.4 U7.49 | length 512.5
  Top Layer w10: P3.4 4879.64,5940.64 4903.64,5940.64 4948,5985 4948,6068 5078.4,6198.4 U7.49
SWDIO: P3.3 U7.46 | length 461.2
  Top Layer w10: P3.3@4727,5869 4732.25,5869 4811,5947.75 4811,6091 4832,6112 4921.63,6112 4949.27,6139.64 U7.46
VBAT: C_bat.1 P2.2 S2.2 | length 334.8
  Top Layer w10: 3991,6857 4062,6928 4238,6928 4268,6958 S2.2@4284,6958
VS: C7.1 R1.1 U8.3 | length 179.3
  Top Layer w10: U8.3 4053.71,6658.68 R1.1 4051,6697.71 C7.1
~ON_SENS: Q5.1 R16.1 U7.36 | length 191.4
  Top Layer w10: Q5.1 4677.05,6034.34 R16.1@4726.71,6084 ; R16.1@4731.55,6097 4751.71,6117.16 4751.71,6180.89 U7.36@4752.42,6181.6
~RES1_HOT: Q1.1 R7.1 U7.53 | length 721.1
  Top Layer w10: U7.53@5078.4,6350.1 5130.9,6350.1 5142.95,6338.05 5143.09,6338.05 5175.14,6306 5227,6306 5234,6313 5234,6614.71 R7.1 5283.29,6757.25 Q1.1
~RES2_HOT: Q3.1 R10.1 U7.52 | length 529
  Top Layer w10: U7.52@5078.4,6330.42 5127.95,6330.42 5136.32,6322.05 5136.46,6322.05 5171.51,6287 5237.63,6287 5250,6299.37 5250,6414.71 R10.1 5283.29,6540.25 Q3.1
~RES3_HOT: Q2.1 R2.1 U7.51 | length 423.3
  Top Layer w10: U7.51@5078.4,6310.73 5125.01,6310.73 5129.69,6306.05 5129.83,6306.05 5165.89,6270 5247,6270 ; R2.1@5288.41,6371.88 R2.1 5266,6359.71 5266,6289 5247,6270 ; Q2.1 5301.04,6270 5247,6270
~RES4_HOT: Q4.1 R13.1 U7.50 | length 390.3
  Top Layer w10: U7.50@5078.4,6291.05 5122.07,6291.05 5123.06,6290.05 5123.2,6290.05 5159.26,6254 5265,6254 5283.29,6235.71 5283.29,6172 5339.59,6115.7 Q4.1
pads on no net: S2.1 U1.2 U1.3 U1.9 U2.6 U3.2 U3.3 U3.4 U3.5 U3.6 U3.7 U3.14 U3.15 U3.16 U3.17 U3.19 U3.21 U3.22 U4.2 U4.3 U4.9 U7.2 U7.3 U7.4 U7.8 U7.10 U7.11 U7.14 U7.15 U7.16 U7.17 U7.21 U7.24 U7.25 U7.26 U7.27 U7.28 U7.39 U7.40 U7.41 U7.42 U7.43 U7.44 U7.45 U7.54 U7.56 U7.61 U7.62 U10.6
copper on no net:
  other v4: 3821,5893 5400,5899 3822,6924 5400,6936

## Polygon pours and split planes (outlines as drawn)
GND on Bottom Layer "GND" (solid, remove dead copper, pour order 0): 3719,7030 5490,7030 5495,7025 5495,5778 5497,5776 5495,5778 3712,5778
ON on Top Layer "ON" (solid, remove dead copper, pour order 4): 3696,6826 4257,6826 4255.5,6231 5314,6231 5314,5775.89 4276,5778 3696,5778
5V on Top Layer "5V" (solid, remove dead copper, pour order 2): 3696,7047 5474,7047 5498,7045 5498,7023 5498,5762 5317.66,5762 5324.11,6735 3696,6735
3V3 on Top Layer "3V3" (solid, remove dead copper, pour order 6): 4282,6826 5251,6826 5258,6819 5249.02,6810.02 5249.02,6212 4920,6212 4282,6212

## Silkscreen, mask and mechanical layers (free items; w line width, h text height)
Mechanical 1:
  lines w10: 3698,5766 3698,7052 5501,7052 5501,5766 3698,5766